# Altium PCB Gatorsynth_Sequencer.PcbDoc (part 2 of 3) (continued)
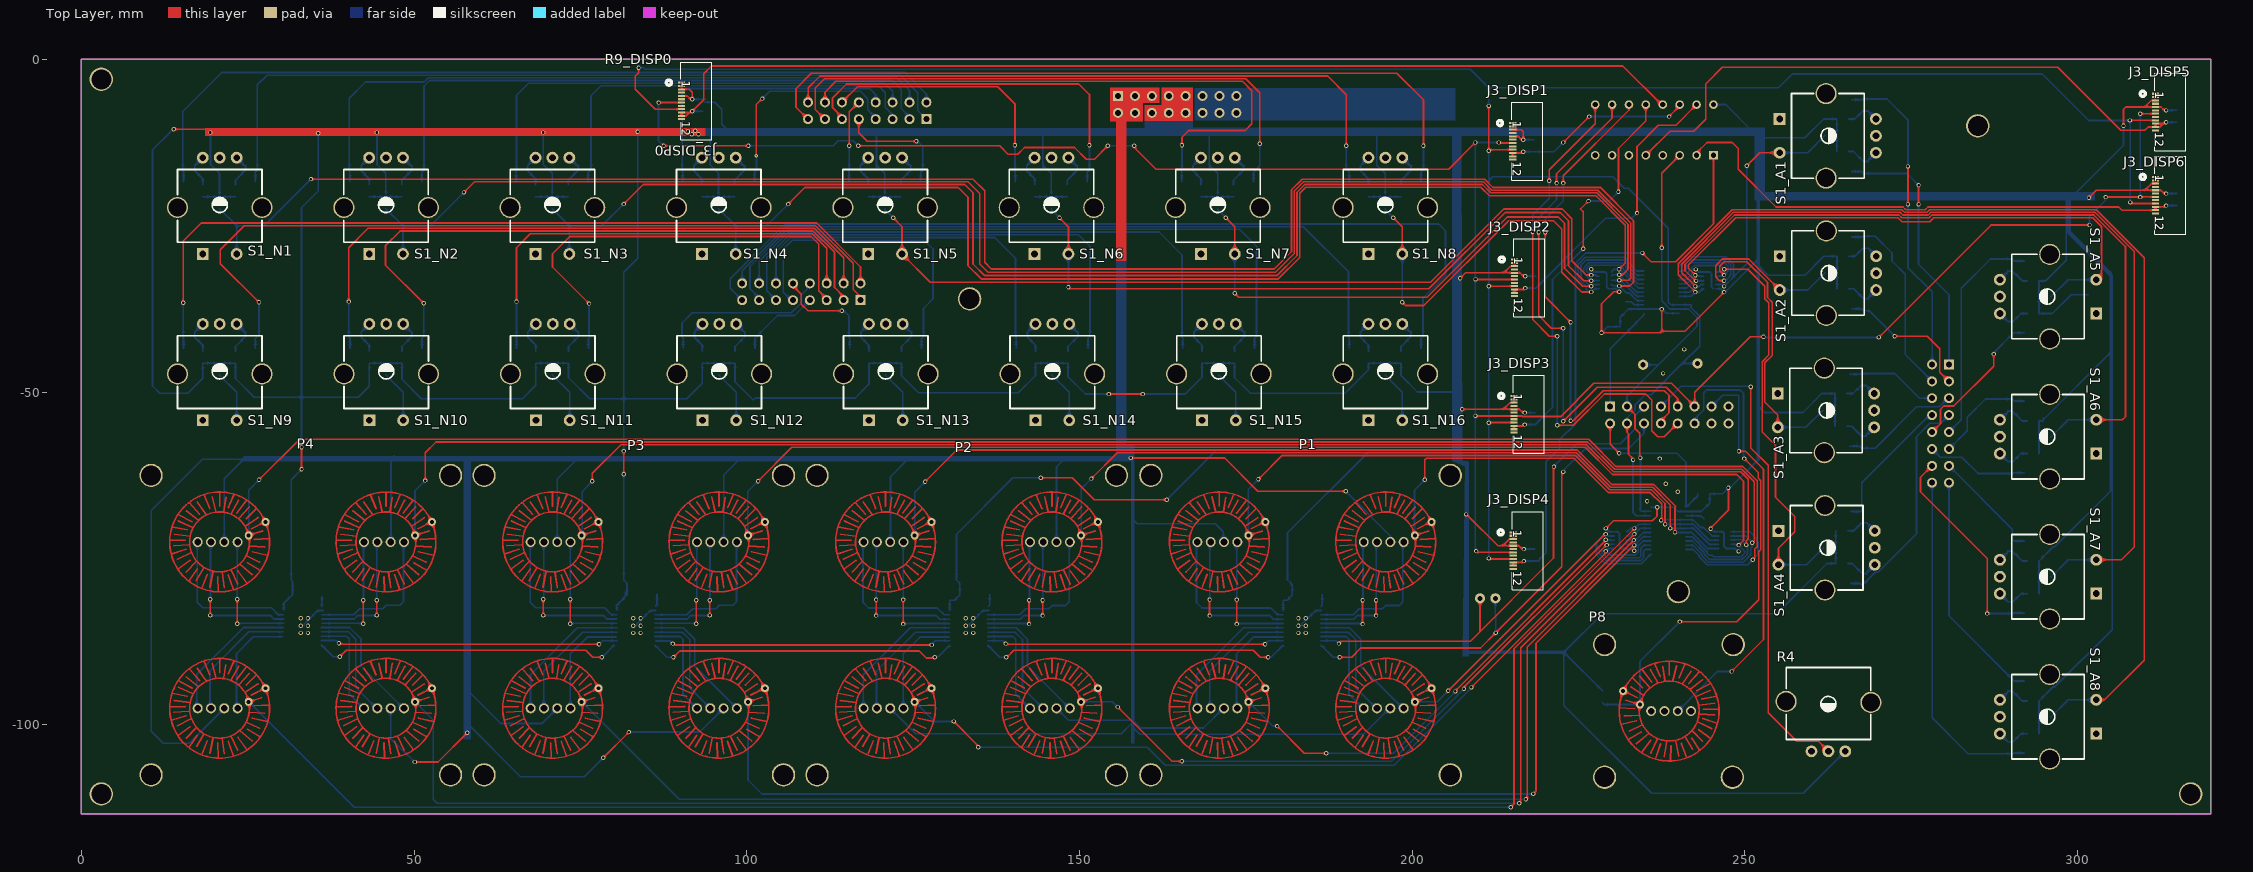
[diagram p0: Top Layer view]
## Nets (pads, with @x,y where several pads share a name; then routed paths per layer and width w, separated by ;. In a path a pad name is that pad's centre, name@x,y a point inside that pad or via, vN(x,y) a via of type N, cw(c..) or ccw(c..) an arc to the next point about the centre after c; other vN are vias at no path point) (continued)
  Bottom Layer w0.254: EXP1_EXP_BTN1.16@240.129,-33.087 240.142,-33.075 241.275,-33.075 241.965,-32.385 241.965,-32.191 242.015,-32.141 242.015,-31.329 242.369,-30.975 246.275,-30.975 246.852,-31.552 v1(246.887,-31.552) 246.887,-31.563 246.503,-31.947 R12_EXP_BTN1.1@245.644,-31.947 ; S1_A4.2@255.047,-75.94 259.267,-75.94 R1_A4.2@261.847,-73.36
AE_SW4: EXP1_EXP_BTN1.17 R1_A5.2 R12_EXP_BTN1.9 S1_A5.2 | length 89
  Top Layer w0.254: v1(242.562,-32.452) 242.562,-32.412 241.5,-31.35 241.5,-30.914 248.614,-23.8 273,-23.8 273.6,-24.4 277.8,-24.4 278.4,-23.8 302.286,-23.8 303.58,-25.094 303.58,-33.12 S1_A5.2@302.8,-33.12
  Bottom Layer w0.254: EXP1_EXP_BTN1.17@240.129,-33.722 241.278,-33.722 242.548,-32.452 v1(242.562,-32.452) 242.693,-32.583 R12_EXP_BTN1.9@243.815,-32.582 ; R1_A5.2@296,-35.7 298.58,-33.12 S1_A5.2@302.8,-33.12
AE_SW5: EXP1_EXP_BTN1.18 R1_A6.2 R12_EXP_BTN1.8 S1_A6.2 | length 117
  Top Layer w0.254: v1(242.659,-33.302) 242.568,-33.302 241,-31.734 241,-30.843 248.447,-23.396 273.167,-23.396 273.571,-23.8 277.7,-23.8 278.104,-23.396 302.453,-23.396 307.2,-28.143 307.2,-53.7 306.733,-54.167 S1_A6.2@302.8,-54.167
  Bottom Layer w0.254: EXP1_EXP_BTN1.18@240.129,-34.357 240.147,-34.375 241.25,-34.375 242.407,-33.218 242.492,-33.302 v1(242.659,-33.302) 243.731,-33.302 R12_EXP_BTN1.8@243.815,-33.217 ; R1_A6.2@296,-56.747 298.58,-54.167 S1_A6.2@302.8,-54.167
AE_SW6: EXP1_EXP_BTN1.19 R1_A7.2 R12_EXP_BTN1.7 S1_A7.2 | length 141.2
  Top Layer w0.254: v1(242.575,-34.125) 240.5,-32.05 240.5,-30.771 248.279,-22.992 273.335,-22.992 273.739,-23.396 277.533,-23.396 277.937,-22.992 302.621,-22.992 308.5,-28.871 308.5,-73.3 306.587,-75.213 S1_A7.2@302.8,-75.213
  Bottom Layer w0.254: EXP1_EXP_BTN1.19@240.129,-34.992 241.708,-34.992 v1(242.575,-34.125) 243.125,-34.125 243.397,-33.853 R12_EXP_BTN1.7@243.815,-33.852 ; R1_A7.2@296,-77.793 298.58,-75.213 S1_A7.2@302.8,-75.213
AE_SW7: EXP1_EXP_BTN1.20 R1_A8.2 R12_EXP_BTN1.6 S1_A8.2 | length 164.2
  Top Layer w0.254: v1(242.575,-34.975) 240,-32.4 240,-30.7 248.112,-22.588 273.588,-22.588 273.992,-22.992 277.365,-22.992 277.769,-22.588 302.788,-22.588 310,-29.8 310,-90.3 304.04,-96.26 S1_A8.2@302.8,-96.26
  Bottom Layer w0.254: EXP1_EXP_BTN1.20@240.129,-35.627 241.923,-35.627 v1(242.575,-34.975) 243.175,-34.975 243.662,-34.488 R12_EXP_BTN1.6@243.815,-34.487 ; R1_A8.2@296,-98.84 298.58,-96.26 S1_A8.2@302.8,-96.26
BLU1: DRV1.5 P1.BLU1 | length 18.6
  Top Layer w0.254: v1(192.543,-84.864) v1(192.543,-81.308)
  Bottom Layer w0.254: DRV1.5@186.305,-84.782 192.461,-84.782 v1(192.543,-84.864) ; v1(192.543,-81.308) 192.599,-81.252 P1.BLU1@192.599,-72.529
BLU2: DRV1.18 P1.BLU2 | length 22.9
  Bottom Layer w0.254: P1.BLU2@167.599,-72.529 167.599,-81.637 168.413,-82.451 178.763,-82.451 179.794,-83.482 DRV1.18@180.605,-83.482
BLU3: DRV2.5 P2.BLU1 | length 18.6
  Top Layer w0.254: v1(142.429,-84.864) v1(142.429,-81.308)
  Bottom Layer w0.254: DRV2.5@136.191,-84.782 DRV2.5@136.323,-84.782 142.347,-84.782 v1(142.429,-84.864) ; v1(142.429,-81.308) 142.485,-81.252 P2.BLU1@142.485,-72.529
BLU4: DRV2.18 P2.BLU2 | length 22.9
  Bottom Layer w0.254: P2.BLU2@117.485,-72.529 117.485,-81.637 118.299,-82.451 128.648,-82.451 129.679,-83.482 DRV2.18@130.491,-83.482
BLU5: DRV3.5 P3.BLU1 | length 18.6
  Top Layer w0.254: v1(92.416,-84.839) v1(92.416,-81.283)
  Bottom Layer w0.254: DRV3.5@86.178,-84.757 92.334,-84.757 v1(92.416,-84.839) ; v1(92.416,-81.283) 92.472,-81.227 P3.BLU1@92.472,-72.504
BLU6: DRV3.18 P3.BLU2 | length 22.9
  Bottom Layer w0.254: P3.BLU2@67.472,-72.504 67.472,-81.612 68.286,-82.426 78.636,-82.426 79.667,-83.457 DRV3.18@80.478,-83.457
BLU7: DRV4.5 P4.BLU1 | length 18.6
  Top Layer w0.254: v1(42.353,-84.839) v1(42.353,-81.283)
  Bottom Layer w0.254: DRV4.5@36.115,-84.757 42.271,-84.757 v1(42.353,-84.839) ; v1(42.353,-81.283) 42.409,-81.227 P4.BLU1@42.409,-72.504
BLU8: DRV4.18 P4.BLU2 | length 22.9
  Bottom Layer w0.254: P4.BLU2@17.409,-72.504 17.409,-81.612 18.223,-82.426 28.572,-82.426 29.603,-83.457 DRV4.18@30.415,-83.457
BLU9: DRV1.8 P1.BLU3 | length 15.6
  Bottom Layer w0.254: DRV1.8@186.305,-86.732 190.093,-86.732 190.511,-87.15 190.511,-95.441 P1.BLU3@192.599,-97.529
BLU10: DRV1.15 P1.BLU4 | length 21
  Bottom Layer w0.254: P1.BLU4@167.599,-97.529 167.599,-92.485 174.652,-85.432 DRV1.15@180.605,-85.432
BLU11: DRV2.8 P2.BLU3 | length 15.6
  Bottom Layer w0.254: DRV2.8@136.216,-86.732 DRV2.8@136.323,-86.732 140.004,-86.732 140.422,-87.15 140.422,-95.441 P2.BLU3@142.51,-97.529
BLU12: DRV2.15 P2.BLU4 | length 21
  Bottom Layer w0.254: P2.BLU4@117.51,-97.529 117.51,-92.485 124.563,-85.432 DRV2.15@130.516,-85.432
BLU13: DRV3.8 P3.BLU3 | length 15.6
  Bottom Layer w0.254: DRV3.8@86.204,-86.732 89.992,-86.732 90.41,-87.15 90.41,-95.441 P3.BLU3@92.497,-97.529
BLU14: DRV3.15 P3.BLU4 | length 21
  Bottom Layer w0.254: P3.BLU4@67.498,-97.529 67.498,-92.485 74.551,-85.432 DRV3.15@80.504,-85.432
BLU15: DRV4.8 P4.BLU3 | length 15.6
  Bottom Layer w0.254: DRV4.8@36.039,-86.681 39.827,-86.681 40.245,-87.099 40.245,-95.39 P4.BLU3@42.332,-97.478
BLU16: DRV4.15 P4.BLU4 | length 21
  Bottom Layer w0.254: P4.BLU4@17.333,-97.478 17.333,-92.434 24.386,-85.381 DRV4.15@30.339,-85.381
BPM_IN: 
BPM_OUT: 
BPM_TRIG: 
BTN_INT: EXP1_EXP_BTN2.1 R10_EXP_BTN2.1 SIG.2 | length 25.1
  Top Layer w0.254: SIG.2@229.75,-54.715 229.75,-57.85 v1(231.1,-59.2)
  Bottom Layer w0.254: v1(231.1,-59.2) 239.8,-59.2 241.154,-60.554 EXP1_EXP_BTN2.1@241.154,-67.308 242.9,-65.562 R10_EXP_BTN2.1@242.9,-65.3
"CLK OUT": 
CS1: 
CS2: 
CV1: 
CV2: 
CV3: 
CV4: 
DISP_RESET: J3_DISP0.7 J3_DISP1.7 J3_DISP2.7 J3_DISP3.7 J3_DISP4.7 J3_DISP5.7 J3_DISP6.7 SIG.11 | length 353.4
  Top Layer w0.254: v1(86.75,-6.5) J3_DISP0.7@90.201,-6.5 ; v1(87.5,-13) v1(100.25,-13) ; v1(116.75,-13) 138,-13 139.25,-14.25 140.75,-14.25 141.75,-13.25 149.25,-13.25 151,-15 152.25,-15 v1(154.25,-13) ; v1(158.25,-13) 158.25,-13.25 161.5,-16.5 205.5,-16.5 v1(209.5,-12.5) ; v1(209.508,-53.592) 213,-53.592 ; v1(209.516,-33.084) 213.075,-33.084 ; v1(209.6,-73.9) 209.8,-74.1 212.9,-74.1 ; v1@212.801,-12.575 J3_DISP1.7@215.101,-12.575 ; 212.901,-74.099 J3_DISP4.7@215.201,-74.099 ; 213.001,-53.591 J3_DISP3.7@215.301,-53.591 216.555,-53.591 216.653,-53.689 222.311,-53.689 227.3,-48.7 238.975,-48.7 SIG.11@242.45,-52.175 242.45,-50.05 250.8,-41.7 v1(252.8,-41.7) ; 213.076,-33.083 J3_DISP2.7@215.376,-33.083 ; v1(270.1,-41.8) 287,-24.9 v1(301.8,-24.9) ; v1(304.2,-20.7) v1(309.4,-20.7) ; v1@309.4,-20.677 309.401,-20.676 J3_DISP6.7@311.701,-20.676 ; v1@309.401,-8.175 J3_DISP5.7@311.701,-8.175
  Bottom Layer w0.254: v1(86.75,-6.5) 86.75,-12.25 v1(87.5,-13) ; v1(100.25,-13) 113,-13 113.75,-12.25 116,-12.25 v1(116.75,-13) ; v1(154.25,-13) v1(158.25,-13) ; v1@209.5,-74 v1(209.5,-12.5) v1(213,-12.5) ; v1@252.8,-41.8 v1(270.1,-41.8) ; v1(301.8,-24.9) 301.8,-23.6 304.2,-21.2 v1(304.2,-20.7) ; v1(309.4,-20.7) v1(309.4,-8.176)
DISP_SEL0: SIG.8 U8.11 | length 76
  Top Layer w0.254: v1(220,-26) 220,-35.7 v1(223.8,-39.5) ; v1(222.7,-18.6) 222.7,-17.5 232.58,-7.62 U8.11@232.58,-6.8 ; v1(223.8,-54.3) 224.2,-54.3 228.7,-49.8 237.9,-49.8 238.6,-50.5 238.6,-53.1 237.37,-54.33 SIG.8@237.37,-54.715
  Bottom Layer w0.254: v1(220,-26) 220,-24 222.7,-21.3 v1(222.7,-18.6) ; v1(223.8,-54.3) v1(223.8,-39.5)
DISP_SEL1: SIG.9 U8.10 | length 76
  Top Layer w0.254: v1(219,-26) 219,-38.5 220.9,-40.4 v1(222.7,-40.4) ; v1(221.7,-18.6) 221.7,-17.2 230.04,-8.86 U8.10@230.04,-6.8 ; v1(222.7,-54.4) 227.8,-49.3 238.2,-49.3 239.91,-51.01 SIG.9@239.91,-52.175
  Bottom Layer w0.254: v1(219,-26) 219,-23.8 221.7,-21.1 v1(221.7,-18.6) ; v1(222.7,-54.4) v1(222.7,-40.4)
DISP_SEL2: SIG.10 U8.9 | length 80.6
  Top Layer w0.254: v1(218.1,-25.9) 218.1,-39.1 220.6,-41.6 v1(221.8,-41.6) ; v1(220.6,-18.25) 220.6,-16.6 227.5,-9.7 U8.9@227.5,-6.8 ; v1(221.8,-55) 224.2,-55 228.9,-50.3 235.1,-50.3 236,-51.2 236,-55.8 236.9,-56.7 237.9,-56.7 239.885,-54.715 SIG.10@239.91,-54.715
  Bottom Layer w0.254: v1(218.1,-25.9) 218.1,-23.4 220.6,-20.9 v1(220.6,-18.25) ; v1(221.8,-55) v1(221.8,-41.6)
ENC_INT: EXP1_EXP_BTN1.1 R10_EXP_BTN1.1 SIG.1 | length 16.1
  Bottom Layer w0.254: SIG.1@229.75,-52.175 229.75,-43.5 R10_EXP_BTN1.1@233.075,-40.175 234.821,-38.429 EXP1_EXP_BTN1.1@234.821,-38.167
EXTRA_IN_EXP_BTN1: EXP1_EXP_BTN1.21
EXTRA_IN_EXP_BTN2: EXP1_EXP_BTN2.21
GATE1: 
GATE2: 
GATE3: 
GATE4: 
GATE_OUT1: 
GATE_OUT2: 
GATE_OUT3: 
GATE_OUT4: 
GND: C1_A1.1 C1_A2.1 C1_A3.1 C1_A4.1 C1_A5.1 C1_A6.1 C1_A7.1 C1_A8.1 C1_N1.1 C1_N2.1 C1_N3.1 C1_N4.1 C1_N5.1 C1_N6.1 C1_N7.1 C1_N8.1 C1_N9.1 C1_N10.1 C1_N11.1 C1_N12.1 C1_N13.1 C1_N14.1 C1_N15.1 C1_N16.1 C2_A1.1 C2_A2.1 C2_A3.1 C2_A4.1 C2_A5.1 C2_A6.1 C2_A7.1 C2_A8.1 C2_N1.1 C2_N2.1 C2_N3.1 C2_N4.1 C2_N5.1 C2_N6.1 C2_N7.1 C2_N8.1 C2_N9.1 C2_N10.1 C2_N11.1 C2_N12.1 C2_N13.1 C2_N14.1 C2_N15.1 C2_N16.1 C15.2 C16.1 C17.2 C18.1 C19.2 C20.1 C21.2 C22.1 C23_EXP_BTN1.2 C23_EXP_BTN2.2 DRV1.2 DRV1.21 DRV2.2 DRV2.21 DRV3.2 DRV3.21 DRV4.2 DRV4.21 EXP1_EXP_BTN1.3 EXP1_EXP_BTN1.12 EXP1_EXP_BTN2.3 EXP1_EXP_BTN2.12 J3_DISP0.1 J3_DISP0.4 J3_DISP0.6 J3_DISP0.8 J3_DISP0.12 J3_DISP1.1 J3_DISP1.4 J3_DISP1.6 J3_DISP1.8 J3_DISP1.12 J3_DISP2.1 J3_DISP2.4 J3_DISP2.6 J3_DISP2.8 J3_DISP2.12 J3_DISP3.1 J3_DISP3.4 J3_DISP3.6 J3_DISP3.8 J3_DISP3.12 J3_DISP4.1 J3_DISP4.4 J3_DISP4.6 J3_DISP4.8 J3_DISP4.12 J3_DISP5.1 J3_DISP5.4 J3_DISP5.6 J3_DISP5.8 J3_DISP5.12 J3_DISP6.1 J3_DISP6.4 J3_DISP6.6 J3_DISP6.8 J3_DISP6.12 P1.1 P1.SIG1 P1.SIG3 P1.SIG5 P1.SIG7 P2.1 P2.SIG1 P2.SIG3 P2.SIG5 P2.SIG7 P3.1 P3.SIG1 P3.SIG3 P3.SIG5 P3.SIG7 P4.1 P4.SIG1 P4.SIG3 P4.SIG5 P4.SIG7 P8.1 P8.BLU1 P8.RED1 P8.SIG1 P8.VCC1 pad.3 PWR.11 PWR.12 PWR.13 PWR.14 PWR.15 PWR.16 R4.1 R4.6 R4.7 R5.1 R6.1 R7.1 R8.1 S1_A1.1 S1_A1.4 S1_A1.6 S1_A1.7 S1_A2.1 S1_A2.4 S1_A2.6 S1_A2.7 S1_A3.1 S1_A3.4 S1_A3.6 S1_A3.7 S1_A4.1 S1_A4.4 S1_A4.6 S1_A4.7 S1_A5.1 S1_A5.4 S1_A5.6 S1_A5.7 S1_A6.1 S1_A6.4 S1_A6.6 S1_A6.7 S1_A7.1 S1_A7.4 S1_A7.6 S1_A7.7 S1_A8.1 S1_A8.4 S1_A8.6 S1_A8.7 S1_N1.1 S1_N1.4 S1_N1.6 S1_N1.7 S1_N2.1 S1_N2.4 S1_N2.6 S1_N2.7 S1_N3.1 S1_N3.4 S1_N3.6 S1_N3.7 S1_N4.1 S1_N4.4 S1_N4.6 S1_N4.7 S1_N5.1 S1_N5.4 S1_N5.6 S1_N5.7 S1_N6.1 S1_N6.4 S1_N6.6 S1_N6.7 S1_N7.1 S1_N7.4 S1_N7.6 S1_N7.7 S1_N8.1 S1_N8.4 S1_N8.6 S1_N8.7 S1_N9.1 S1_N9.4 S1_N9.6 S1_N9.7 S1_N10.1 S1_N10.4 S1_N10.6 S1_N10.7 S1_N11.1 S1_N11.4 S1_N11.6 S1_N11.7 S1_N12.1 S1_N12.4 S1_N12.6 S1_N12.7 S1_N13.1 S1_N13.4 S1_N13.6 S1_N13.7 S1_N14.1 S1_N14.4 S1_N14.6 S1_N14.7 S1_N15.1 S1_N15.4 S1_N15.6 S1_N15.7 S1_N16.1 S1_N16.4 S1_N16.6 S1_N16.7 U8.6 U8.7 U8.8 | length 85.6
  Top Layer w0.762: P4.SIG1@52.697,-69.516 P4.SIG1@52.843,-69.37
  Bottom Layer w0.254: S1_N9.7@14.45,-47.268 14.507,-47.268 S1_N9.7@15.36,-46.415 ; S1_N1.7@14.45,-22.268 14.507,-22.268 S1_N1.7@15.36,-21.415 ; S1_N9.6@26.16,-46.278 S1_N9.6@27.15,-47.268 ; S1_N1.6@26.16,-21.278 S1_N1.6@27.15,-22.268 ; DRV4.21@33.508,-85.107 33.508,-84.871 35.547,-82.832 DRV4.2@36.358,-82.832 ; S1_N2.7@39.45,-22.268 39.507,-22.268 S1_N2.7@40.36,-21.415 ; S1_N10.7@39.475,-47.268 39.532,-47.268 S1_N10.7@40.385,-46.415 ; S1_N2.6@51.16,-21.278 S1_N2.6@52.15,-22.268 ; S1_N10.6@51.185,-46.278 S1_N10.6@52.175,-47.268 ; S1_N3.7@64.45,-22.268 64.507,-22.268 S1_N3.7@65.36,-21.415 ; S1_N11.7@64.5,-47.268 64.557,-47.268 S1_N11.7@65.41,-46.415 ; S1_N3.6@76.16,-21.278 S1_N3.6@77.15,-22.268 ; S1_N11.6@76.21,-46.278 S1_N11.6@77.2,-47.268 ; DRV3.21@83.491,-85.107 83.491,-84.871 85.529,-82.832 DRV3.2@86.341,-82.832 ; S1_N4.7@89.45,-22.268 89.507,-22.268 S1_N4.7@90.36,-21.415 ; S1_N12.7@89.525,-47.268 89.582,-47.268 S1_N12.7@90.435,-46.415 ; S1_N4.6@101.16,-21.278 S1_N4.6@102.15,-22.268 ; S1_N12.6@101.235,-46.278 S1_N12.6@102.225,-47.268 ; S1_N5.7@114.45,-22.268 114.507,-22.268 S1_N5.7@115.36,-21.415 ; S1_N13.7@114.55,-47.268 114.607,-47.268 S1_N13.7@115.46,-46.415 ; S1_N5.6@126.16,-21.278 S1_N5.6@127.15,-22.268 ; S1_N13.6@126.26,-46.278 S1_N13.6@127.25,-47.268 ; DRV2.21@133.473,-85.107 133.473,-84.871 135.511,-82.832 DRV2.2@136.323,-82.832 ; S1_N6.7@139.45,-22.268 139.507,-22.268 S1_N6.7@140.36,-21.415 ; S1_N14.7@139.575,-47.268 139.632,-47.268 S1_N14.7@140.485,-46.415 ; S1_N6.6@151.16,-21.278 S1_N6.6@152.15,-22.268 ; S1_N14.6@151.285,-46.278 S1_N14.6@152.275,-47.268 ; S1_N7.7@164.45,-22.268 164.507,-22.268 S1_N7.7@165.36,-21.415 ; S1_N15.7@164.6,-47.268 164.657,-47.268 S1_N15.7@165.51,-46.415 ; S1_N7.6@176.16,-21.278 S1_N7.6@177.15,-22.268 ; S1_N15.6@176.31,-46.278 S1_N15.6@177.3,-47.268 ; DRV1.21@183.455,-85.107 183.455,-84.871 185.494,-82.832 DRV1.2@186.305,-82.832 ; S1_N16.7@189.625,-47.268 189.682,-47.268 S1_N16.7@190.535,-46.415 ; S1_N8.7@189.625,-22.268 189.682,-22.268 S1_N8.7@190.535,-21.415 ; S1_N16.6@201.335,-46.278 S1_N16.6@202.325,-47.268 ; S1_N8.6@201.335,-21.278 S1_N8.6@202.325,-22.268 ; C23_EXP_BTN1.2@232.129,-36.417 232.917,-36.417 233.397,-36.897 EXP1_EXP_BTN1.3@234.821,-36.897 ; EXP1_EXP_BTN2.3@241.154,-68.578 243.366,-68.578 C23_EXP_BTN2.2@243.846,-69.057 ; S1_A3.6@261.932,-59.117 S1_A3.6@262.922,-58.127 ; S1_A3.7@261.932,-46.417 261.932,-46.474 S1_A3.7@262.785,-47.327 ; S1_A4.6@262.032,-79.75 S1_A4.6@263.022,-78.76 ; S1_A4.7@262.032,-67.05 262.032,-67.107 S1_A4.7@262.885,-67.96 ; S1_A1.6@262.207,-17.85 S1_A1.6@263.197,-16.86 ; S1_A1.7@262.207,-5.15 262.207,-5.207 S1_A1.7@263.06,-6.06 ; S1_A2.6@262.232,-38.483 S1_A2.6@263.222,-37.493 ; S1_A2.7@262.232,-25.783 262.232,-25.84 S1_A2.7@263.085,-26.693 ; S1_A8.6@294.825,-93.44 S1_A8.6@295.815,-92.45 ; S1_A7.6@294.825,-72.393 S1_A7.6@295.815,-71.403 ; S1_A6.6@294.825,-51.347 S1_A6.6@295.815,-50.357 ; S1_A5.6@294.825,-30.3 S1_A5.6@295.815,-29.31 ; S1_A8.7@294.962,-104.24 295.815,-105.093 S1_A8.7@295.815,-105.15 ; S1_A7.7@294.962,-83.193 295.815,-84.046 S1_A7.7@295.815,-84.103 ; S1_A6.7@294.962,-62.147 295.815,-63 S1_A6.7@295.815,-63.057 ; S1_A5.7@294.962,-41.1 295.815,-41.953 S1_A5.7@295.815,-42.01
  other v1: 32.958,-86.207 34.058,-86.207 82.941,-86.207 84.041,-86.207 132.923,-86.207 134.023,-86.207 182.905,-86.207 184.005,-86.207 32.958,-85.107 34.058,-85.107 82.941,-85.107 84.041,-85.107 132.923,-85.107 134.023,-85.107 182.905,-85.107 184.005,-85.107 32.958,-84.007 34.058,-84.007 82.941,-84.007 84.041,-84.007 132.923,-84.007 134.023,-84.007 182.905,-84.007 184.005,-84.007 235.3,-66.4 239.9,-65 238.1,-63.8 237.2,-60 237.7,-47.2 240.9,-43.6
GRN1: DRV1.4 P1.GRN1 | length 19.6
  Top Layer w0.254: v1(194.575,-83.594) v1(194.575,-81.308)
  Bottom Layer w0.254: DRV1.4@186.305,-84.132 191.199,-84.132 191.737,-83.594 v1(194.575,-83.594) ; v1(194.575,-81.308) 194.599,-81.284 P1.GRN1@194.599,-72.529
GRN2: DRV1.17 P1.GRN2 | length 22.3
  Top Layer w0.254: v1(169.556,-83.594) v1@169.556,-81.308
  Bottom Layer w0.254: v1(169.556,-83.594) 178.573,-83.594 179.111,-84.132 DRV1.17@180.605,-84.132 ; v1@169.599,-81.284 P1.GRN2@169.599,-72.529
  other v1: 169.556,-81.181
GRN3: DRV2.4 P2.GRN1 | length 19.6
  Top Layer w0.254: v1(144.461,-83.594) v1(144.461,-81.308)
  Bottom Layer w0.254: DRV2.4@136.191,-84.132 DRV2.4@136.323,-84.132 141.085,-84.132 141.623,-83.594 v1(144.461,-83.594) ; v1(144.461,-81.308) 144.485,-81.284 P2.GRN1@144.485,-72.529
GRN4: DRV2.17 P2.GRN2 | length 22.3
  Top Layer w0.254: v1(119.442,-83.594) v1@119.442,-81.308
  Bottom Layer w0.254: v1(119.442,-83.594) 128.459,-83.594 128.997,-84.132 DRV2.17@130.491,-84.132 ; v1@119.485,-81.284 P2.GRN2@119.485,-72.529
  other v1: 119.442,-81.181
GRN5: DRV3.4 P3.GRN1 | length 19.6
  Top Layer w0.254: v1(94.448,-83.569) v1(94.448,-81.283)
  Bottom Layer w0.254: DRV3.4@86.178,-84.107 91.073,-84.107 91.611,-83.569 v1(94.448,-83.569) ; v1(94.448,-81.283) 94.472,-81.259 P3.GRN1@94.472,-72.504
GRN6: DRV3.17 P3.GRN2 | length 22.3
  Top Layer w0.254: v1(69.429,-83.569) v1@69.429,-81.283
  Bottom Layer w0.254: v1(69.429,-83.569) 78.446,-83.569 78.984,-84.107 DRV3.17@80.478,-84.107 ; v1@69.472,-81.259 P3.GRN2@69.472,-72.504
  other v1: 69.429,-81.156
GRN7: DRV4.4 P4.GRN1 | length 19.6
  Top Layer w0.254: v1(44.385,-83.569) v1(44.385,-81.283)
  Bottom Layer w0.254: DRV4.4@36.115,-84.107 41.009,-84.107 41.547,-83.569 v1(44.385,-83.569) ; v1(44.385,-81.283) 44.409,-81.259 P4.GRN1@44.409,-72.504
GRN8: DRV4.17 P4.GRN2 | length 22.3
  Top Layer w0.254: v1(19.366,-83.569) v1@19.366,-81.283
  Bottom Layer w0.254: v1(19.366,-83.569) 28.383,-83.569 28.921,-84.107 DRV4.17@30.415,-84.107 ; v1@19.409,-81.259 P4.GRN2@19.409,-72.504
  other v1: 19.366,-81.156
GRN9: DRV1.7 P1.GRN3 | length 17.3
  Bottom Layer w0.254: DRV1.7@186.305,-86.082 190.408,-86.082 191.527,-87.201 191.527,-94.457 P1.GRN3@194.599,-97.529
GRN10: DRV1.14 P1.GRN4 | length 19
  Bottom Layer w0.254: P1.GRN4@169.599,-97.529 169.599,-91.933 175.45,-86.082 DRV1.14@180.605,-86.082
GRN11: DRV2.7 P2.GRN3 | length 17.3
  Bottom Layer w0.254: DRV2.7@136.216,-86.082 DRV2.7@136.323,-86.082 140.319,-86.082 141.438,-87.201 141.438,-94.457 P2.GRN3@144.51,-97.529
GRN12: DRV2.14 P2.GRN4 | length 19
  Bottom Layer w0.254: P2.GRN4@119.51,-97.529 119.51,-91.933 125.361,-86.082 DRV2.14@130.516,-86.082
GRN13: DRV3.7 P3.GRN3 | length 17.3
  Bottom Layer w0.254: DRV3.7@86.204,-86.082 90.307,-86.082 91.426,-87.201 91.426,-94.457 P3.GRN3@94.497,-97.529
GRN14: DRV3.14 P3.GRN4 | length 19
  Bottom Layer w0.254: P3.GRN4@69.498,-97.529 69.498,-91.933 75.349,-86.082 DRV3.14@80.504,-86.082
GRN15: DRV4.7 P4.GRN3 | length 17.3
  Bottom Layer w0.254: DRV4.7@36.039,-86.031 40.142,-86.031 41.261,-87.15 41.261,-94.406 P4.GRN3@44.332,-97.478
GRN16: DRV4.14 P4.GRN4 | length 19
  Bottom Layer w0.254: P4.GRN4@19.333,-97.478 19.333,-91.882 25.184,-86.031 DRV4.14@30.339,-86.031
JACK_INT: 
MOSI: DRV1.9 pad.8 SIG.5 | length 77.6
  Top Layer w0.254: v1(188.987,-87.794) 189.351,-87.429 208.774,-87.429 221.25,-74.953 v1@221.25,-61.25 ; 210.2,-85.997 pad.8@210.2,-81
  Bottom Layer w0.254: DRV1.9@186.305,-87.382 188.575,-87.382 v1(188.987,-87.794) ; v1@221.25,-61.25 224.75,-57.75 231.25,-57.75 233.5,-55.5 233.5,-53.505 SIG.5@234.83,-52.175
  other v1: 221.3,-61.2
NE_L0: C1_N1.2 NE1.1 R2_N1.2 | length 120.2
  Bottom Layer w0.254: C1_N1.2@26.16,-18.403 26.16,-16.953 R2_N1.2@26.46,-16.653 26.46,-3.84 27.924,-2.376 123.076,-2.376 125.7,-5 125.7,-7.7 NE1.1@127,-9
NE_L1: C1_N2.2 NE1.3 R2_N2.2 | length 92.1
  Bottom Layer w0.254: C1_N2.2@51.16,-18.403 51.16,-16.953 R2_N2.2@51.46,-16.653 ; R2_N2.2@51.5,-16.613 51.5,-4 52.316,-3.184 121.855,-3.184 123.2,-4.529 123.2,-7.4 124.46,-8.66 NE1.3@124.46,-9
NE_L2: C1_N3.2 NE1.5 R2_N3.2 | length 62.6
  Bottom Layer w0.254: C1_N3.2@76.16,-18.403 76.16,-16.953 R2_N3.2@76.46,-16.653 ; R2_N3.2@76.6,-16.513 76.6,-5.5 78.108,-3.992 119.792,-3.992 120.8,-5 120.8,-7.2 121.92,-8.32 NE1.5@121.92,-9
NE_L3: C1_N4.2 NE1.7 R2_N4.2 | length 33.3
  Top Layer w0.254: v2(101.45,-14.5) 101.45,-6.8 v1(102.35,-5.9)
  Bottom Layer w0.254: C1_N4.2@101.16,-18.403 101.16,-16.953 R2_N4.2@101.46,-16.653 v2@101.46,-14.51 ; v1(102.35,-5.9) 103.45,-4.8 117.1,-4.8 118.2,-5.9 118.2,-7.6 119.38,-8.78 NE1.7@119.38,-9
NE_L4: C1_N5.2 NE1.9 R2_N5.2 | length 17.9
  Top Layer w0.254: NE1.9@116.84,-9 116.84,-11.04 118.1,-12.3 v1(125.5,-12.3)
  Bottom Layer w0.254: v1(125.5,-12.3) 125.66,-12.3 126.46,-13.1 R2_N5.2@126.46,-16.653 126.16,-16.953 C1_N5.2@126.16,-18.403
NE_L5: C1_N6.2 NE1.11 R2_N6.2 | length 57.1
  Top Layer w0.254: NE1.11@114.3,-9 114.3,-8.7 112.9,-7.3 112.9,-5.8 114.984,-3.716 149.916,-3.716 151.5,-5.3 v1(151.5,-12.9)
  Bottom Layer w0.254: C1_N6.2@151.16,-18.403 151.16,-16.953 R2_N6.2@151.46,-16.653 151.5,-16.613 v1(151.5,-12.9)
NE_L6: C1_N7.2 NE1.13 R2_N7.2 | length 87.3
  Top Layer w0.254: NE1.13@111.76,-9 110.3,-7.54 110.3,-4.3 111.692,-2.908 175.008,-2.908 177.1,-5 v1(177.1,-12.7)
  Bottom Layer w0.254: C1_N7.2@176.16,-18.403 176.16,-16.953 R2_N7.2@176.46,-16.653 177.1,-16.013 v1(177.1,-12.7)
NE_L7: C1_N8.2 NE1.15 R2_N8.2 | length 114.7
  Top Layer w0.254: NE1.15@109.22,-9 107.4,-7.18 107.4,-4.4 109.7,-2.1 197.7,-2.1 201.7,-6.1 v1(201.7,-13)
  Bottom Layer w0.254: C1_N8.2@201.335,-18.403 201.335,-16.953 R2_N8.2@201.635,-16.653 201.7,-16.588 v1(201.7,-13)
NE_L8: C1_N9.2 NE2.1 R2_N9.2 | length 122
  Top Layer w0.254: v1(26.7,-36.5) 20.9,-30.7 20.9,-28.6 24.496,-25.004 110.333,-25.004 116,-30.671 116,-34.6 117.1,-35.7 NE2.1@117.1,-36.2
  Bottom Layer w0.254: C1_N9.2@26.16,-43.403 26.16,-41.953 R2_N9.2@26.46,-41.653 ; R2_N9.2@26.7,-41.413 v1(26.7,-36.5)
NE_L9: C1_N10.2 NE2.3 R2_N10.2 | length 95.4
  Top Layer w0.254: v1(51.45,-36.65) 45.7,-30.9 45.7,-28 47.888,-25.812 109.998,-25.812 113.2,-29.014 113.2,-34.3 114.56,-35.66 NE2.3@114.56,-36.2
  Bottom Layer w0.254: C1_N10.2@51.185,-43.403 51.185,-41.953 R2_N10.2@51.485,-41.653 ; R2_N10.2@51.45,-41.641 v1(51.45,-36.65)
NE_L10: C1_N11.2 NE2.5 R2_N11.2 | length 66.9
  Top Layer w0.254: v1(76.3,-36.7) 70.8,-31.2 70.8,-29.2 73.38,-26.62 109.663,-26.62 110.8,-27.757 110.8,-34.8 112.02,-36.02 NE2.5@112.02,-36.2
  Bottom Layer w0.254: C1_N11.2@76.21,-43.403 76.21,-41.953 R2_N11.2@76.51,-41.653 ; R2_N11.2@76.3,-41.489 v1(76.3,-36.7)
NE_L11: C1_N12.2 NE2.7 R2_N12.2 | length 12.1
  Bottom Layer w0.254: C1_N12.2@101.235,-43.403 101.235,-41.953 R2_N12.2@101.535,-41.653 ; R2_N12.2@101.466,-41.653 104.619,-38.5 107.18,-38.5 NE2.7@109.48,-36.2
NE_L12: C1_N13.2 NE2.9 R2_N13.2 | length 47.7
  Bottom Layer w0.254: NE2.9@106.94,-36.2 106.7,-36.2 105.5,-35 105.5,-28.5 106.826,-27.174 126.674,-27.174 128,-28.5 128,-36 126.56,-37.44 R2_N13.2@126.56,-41.653 ; C1_N13.2@126.26,-43.403 126.26,-41.953 R2_N13.2@126.56,-41.653
NE_L13: C1_N14.2 NE2.11 R2_N14.2 | length 73.2
  Bottom Layer w0.254: NE2.11@104.4,-36.2 103,-34.8 103,-29.785 106.419,-26.366 149.866,-26.366 151.585,-28.085 R2_N14.2@151.585,-41.653 151.285,-41.953 C1_N14.2@151.285,-43.403
NE_L14: C1_N15.2 NE2.13 R2_N15.2 | length 100.5
  Bottom Layer w0.254: NE2.13@101.86,-36.2 101.86,-35.86 100.5,-34.5 100.5,-31.143 106.085,-25.558 174.058,-25.558 176.61,-28.11 R2_N15.2@176.61,-41.653 176.31,-41.953 C1_N15.2@176.31,-43.403
NE_L15: C1_N16.2 NE2.15 R2_N16.2 | length 134.4
  Bottom Layer w0.254: NE2.15@99.32,-36.2 97.52,-34.4 97.52,-32.98 105.75,-24.75 204,-24.75 205,-25.75 205,-32.5 201.635,-35.865 R2_N16.2@201.635,-41.653 201.335,-41.953 C1_N16.2@201.335,-43.403
NE_R0: C2_N1.2 NE1.2 R3_N1.2 | length 127.4
  Bottom Layer w0.254: C2_N1.2@15.36,-18.403 15.36,-16.853 R3_N1.2@15.26,-16.753 15.26,-7.84 21.128,-1.972 123.772,-1.972 127,-5.2 NE1.2@127,-6.46
NE_R1: C2_N2.2 NE1.4 R3_N2.2 | length 100.7
  Bottom Layer w0.254: C2_N2.2@40.36,-18.403 40.36,-16.853 R3_N2.2@40.26,-16.753 40.26,-5.84 42.7,-3.4 51.529,-3.4 52.149,-2.78 122.58,-2.78 124.46,-4.66 NE1.4@124.46,-6.46
NE_R2: C2_N3.2 NE1.6 R3_N3.2 | length 72.3
  Bottom Layer w0.254: R3_N3.2@65.26,-16.753 65.36,-16.853 C2_N3.2@65.36,-18.403 ; R3_N3.2@65.4,-16.613 65.4,-5.4 67.212,-3.588 120.688,-3.588 121.92,-4.82 NE1.6@121.92,-6.46
NE_R3: C2_N4.2 NE1.8 R3_N4.2 | length 44.3
  Bottom Layer w0.254: R3_N4.2@90.26,-16.753 90.36,-16.853 C2_N4.2@90.36,-18.403 ; R3_N4.2@90.3,-16.713 90.3,-4.9 90.804,-4.396 118.467,-4.396 119.38,-5.309 NE1.8@119.38,-6.46
NE_R4: C2_N5.2 NE1.10 R3_N5.2 | length 12.4
  Top Layer w0.254: v1(115.4,-13) 115.4,-7.9 NE1.10@116.84,-6.46
  Bottom Layer w0.254: R3_N5.2@115.26,-16.753 115.36,-16.853 C2_N5.2@115.36,-18.403 ; R3_N5.2@115.4,-16.613 v1(115.4,-13)
NE_R5: C2_N6.2 NE1.12 R3_N6.2 | length 39.8
  Top Layer w0.254: NE1.12@114.3,-6.46 116.64,-4.12 137.72,-4.12 140.3,-6.7 v1(140.3,-12.9)
  Bottom Layer w0.254: v1(140.3,-12.9) 140.3,-16.713 R3_N6.2@140.26,-16.753 140.36,-16.853 C2_N6.2@140.36,-18.403
NE_R6: C2_N7.2 NE1.14 R3_N7.2 | length 90
  Top Layer w0.254: NE1.14@111.76,-6.46 111.76,-4.952 113.4,-3.312 174.512,-3.312 175.9,-4.7 175.9,-9.7 174.9,-10.7 166.4,-10.7 165.4,-11.7 v1(165.4,-12.9)
  Bottom Layer w0.254: C2_N7.2@165.36,-18.403 165.36,-16.853 R3_N7.2@165.26,-16.753 165.4,-16.613 v1(165.4,-12.9)

## Text inside footprints (layer, text, board x,y; h text height)
J3_DISP6: Top Overlay "12" at 311.701,-23.481 h1.27 r270; Top Overlay "12" at 311.701,-23.481 h1.27 r270; Top Overlay "1" at 311.701,-17.371 h1.27 r270; Top Overlay "1" at 311.701,-17.371 h1.27 r270; Mechanical 13 "12" at 311.701,-23.481 h1.27 r270; Mechanical 13 "12" at 311.701,-23.481 h1.27 r270; Mechanical 13 "1" at 311.701,-17.371 h1.27 r270; Mechanical 13 "1" at 311.701,-17.371 h1.27 r270; Bottom Overlay "12" at 311.701,-23.481 h1.27 r270; Bottom Overlay "12" at 311.701,-23.481 h1.27 r270; Bottom Overlay "1" at 311.701,-17.371 h1.27 r270; Bottom Overlay "1" at 311.701,-17.371 h1.27 r270
NE1: Bottom Overlay "2" at 129.54,-6.968 h1.27; Bottom Overlay "1" at 129.54,-9.508 h1.27; Bottom Overlay "15" at 107.696,-9.508 h1.27; Bottom Overlay "16" at 107.696,-6.968 h1.27
NE2: Bottom Overlay "2" at 119.64,-34.168 h1.27; Bottom Overlay "1" at 119.64,-36.708 h1.27; Bottom Overlay "15" at 97.796,-36.708 h1.27; Bottom Overlay "16" at 97.796,-34.168 h1.27
P1: Mechanical 2 "C1" at 196.474,-70.529 h1.57; Mechanical 2 "C2" at 171.474,-70.529 h1.57; Mechanical 2 "C3" at 196.474,-95.529 h1.57; Mechanical 2 "C4" at 171.474,-95.779 h1.57
P2: Mechanical 2 "C4" at 121.311,-95.779 h1.57; Mechanical 2 "C3" at 146.311,-95.529 h1.57; Mechanical 2 "C2" at 121.311,-70.529 h1.57; Mechanical 2 "C1" at 146.311,-70.529 h1.57
P3: Mechanical 2 "C1" at 96.273,-70.529 h1.57; Mechanical 2 "C2" at 71.273,-70.529 h1.57; Mechanical 2 "C3" at 96.273,-95.529 h1.57; Mechanical 2 "C4" at 71.273,-95.779 h1.57
P4: Mechanical 2 "C4" at 21.235,-95.779 h1.57; Mechanical 2 "C3" at 46.235,-95.529 h1.57; Mechanical 2 "C2" at 21.235,-70.529 h1.57; Mechanical 2 "C1" at 46.235,-70.529 h1.57
P8: Mechanical 2 "C1" at 238.163,-95.948 h1.57
PWR: Bottom Overlay "2" at 153.26,-7.532 h1.27 r180; Bottom Overlay "1" at 153.26,-4.992 h1.27 r180; Bottom Overlay "15" at 175.104,-4.992 h1.27 r180; Bottom Overlay "16" at 175.104,-7.532 h1.27 r180
R11_EXP_BTN1: Mechanical 13 "*" at 229.207,-31.274 h1.27; Bottom Overlay "*" at 230.02,-30.893 h1.27
R11_EXP_BTN2: Mechanical 13 "*" at 246.768,-74.201 h1.27 r180; Bottom Overlay "*" at 245.955,-74.582 h1.27 r180
R12_EXP_BTN1: Mechanical 13 "*" at 244.907,-31.274 h1.27; Bottom Overlay "*" at 245.72,-30.893 h1.27; Bottom Overlay "PN" at 244.729,-33.217 h1.27; Bottom Overlay "DEV" at 244.729,-33.217 h1.27; Bottom Overlay "VAL" at 244.729,-33.217 h1.27; Bottom Overlay "TOL" at 244.729,-33.217 h1.27
R12_EXP_BTN2: Mechanical 13 "*" at 231.068,-74.201 h1.27 r180; Bottom Overlay "*" at 230.255,-74.582 h1.27 r180
SIG: Bottom Overlay "2" at 227.21,-54.207 h1.27 r180; Bottom Overlay "1" at 227.21,-51.667 h1.27 r180; Bottom Overlay "15" at 249.054,-51.667 h1.27 r180; Bottom Overlay "16" at 249.054,-54.207 h1.27 r180
U8: Mechanical 13 "*" at 245.28,-13.658 h1.27 r270; Bottom Overlay "*" at 246.69,-14.42 h1.27 r270